# Altium PCB Power Board.PcbDoc (part 2 of 3)
Units mm, origin at the board's own origin, x right, y up, seen from the top; angles counter-clockwise.
Board outline 181.1 x 196.98 mm, 4 copper layers (Top Layer, Int1 (GND), Int2, Bottom Layer), stack 1.369 mm thick; 399 components, 209 nets, 1103 pads, 545 vias.
Unrouted connection lines stored in the file: 26.
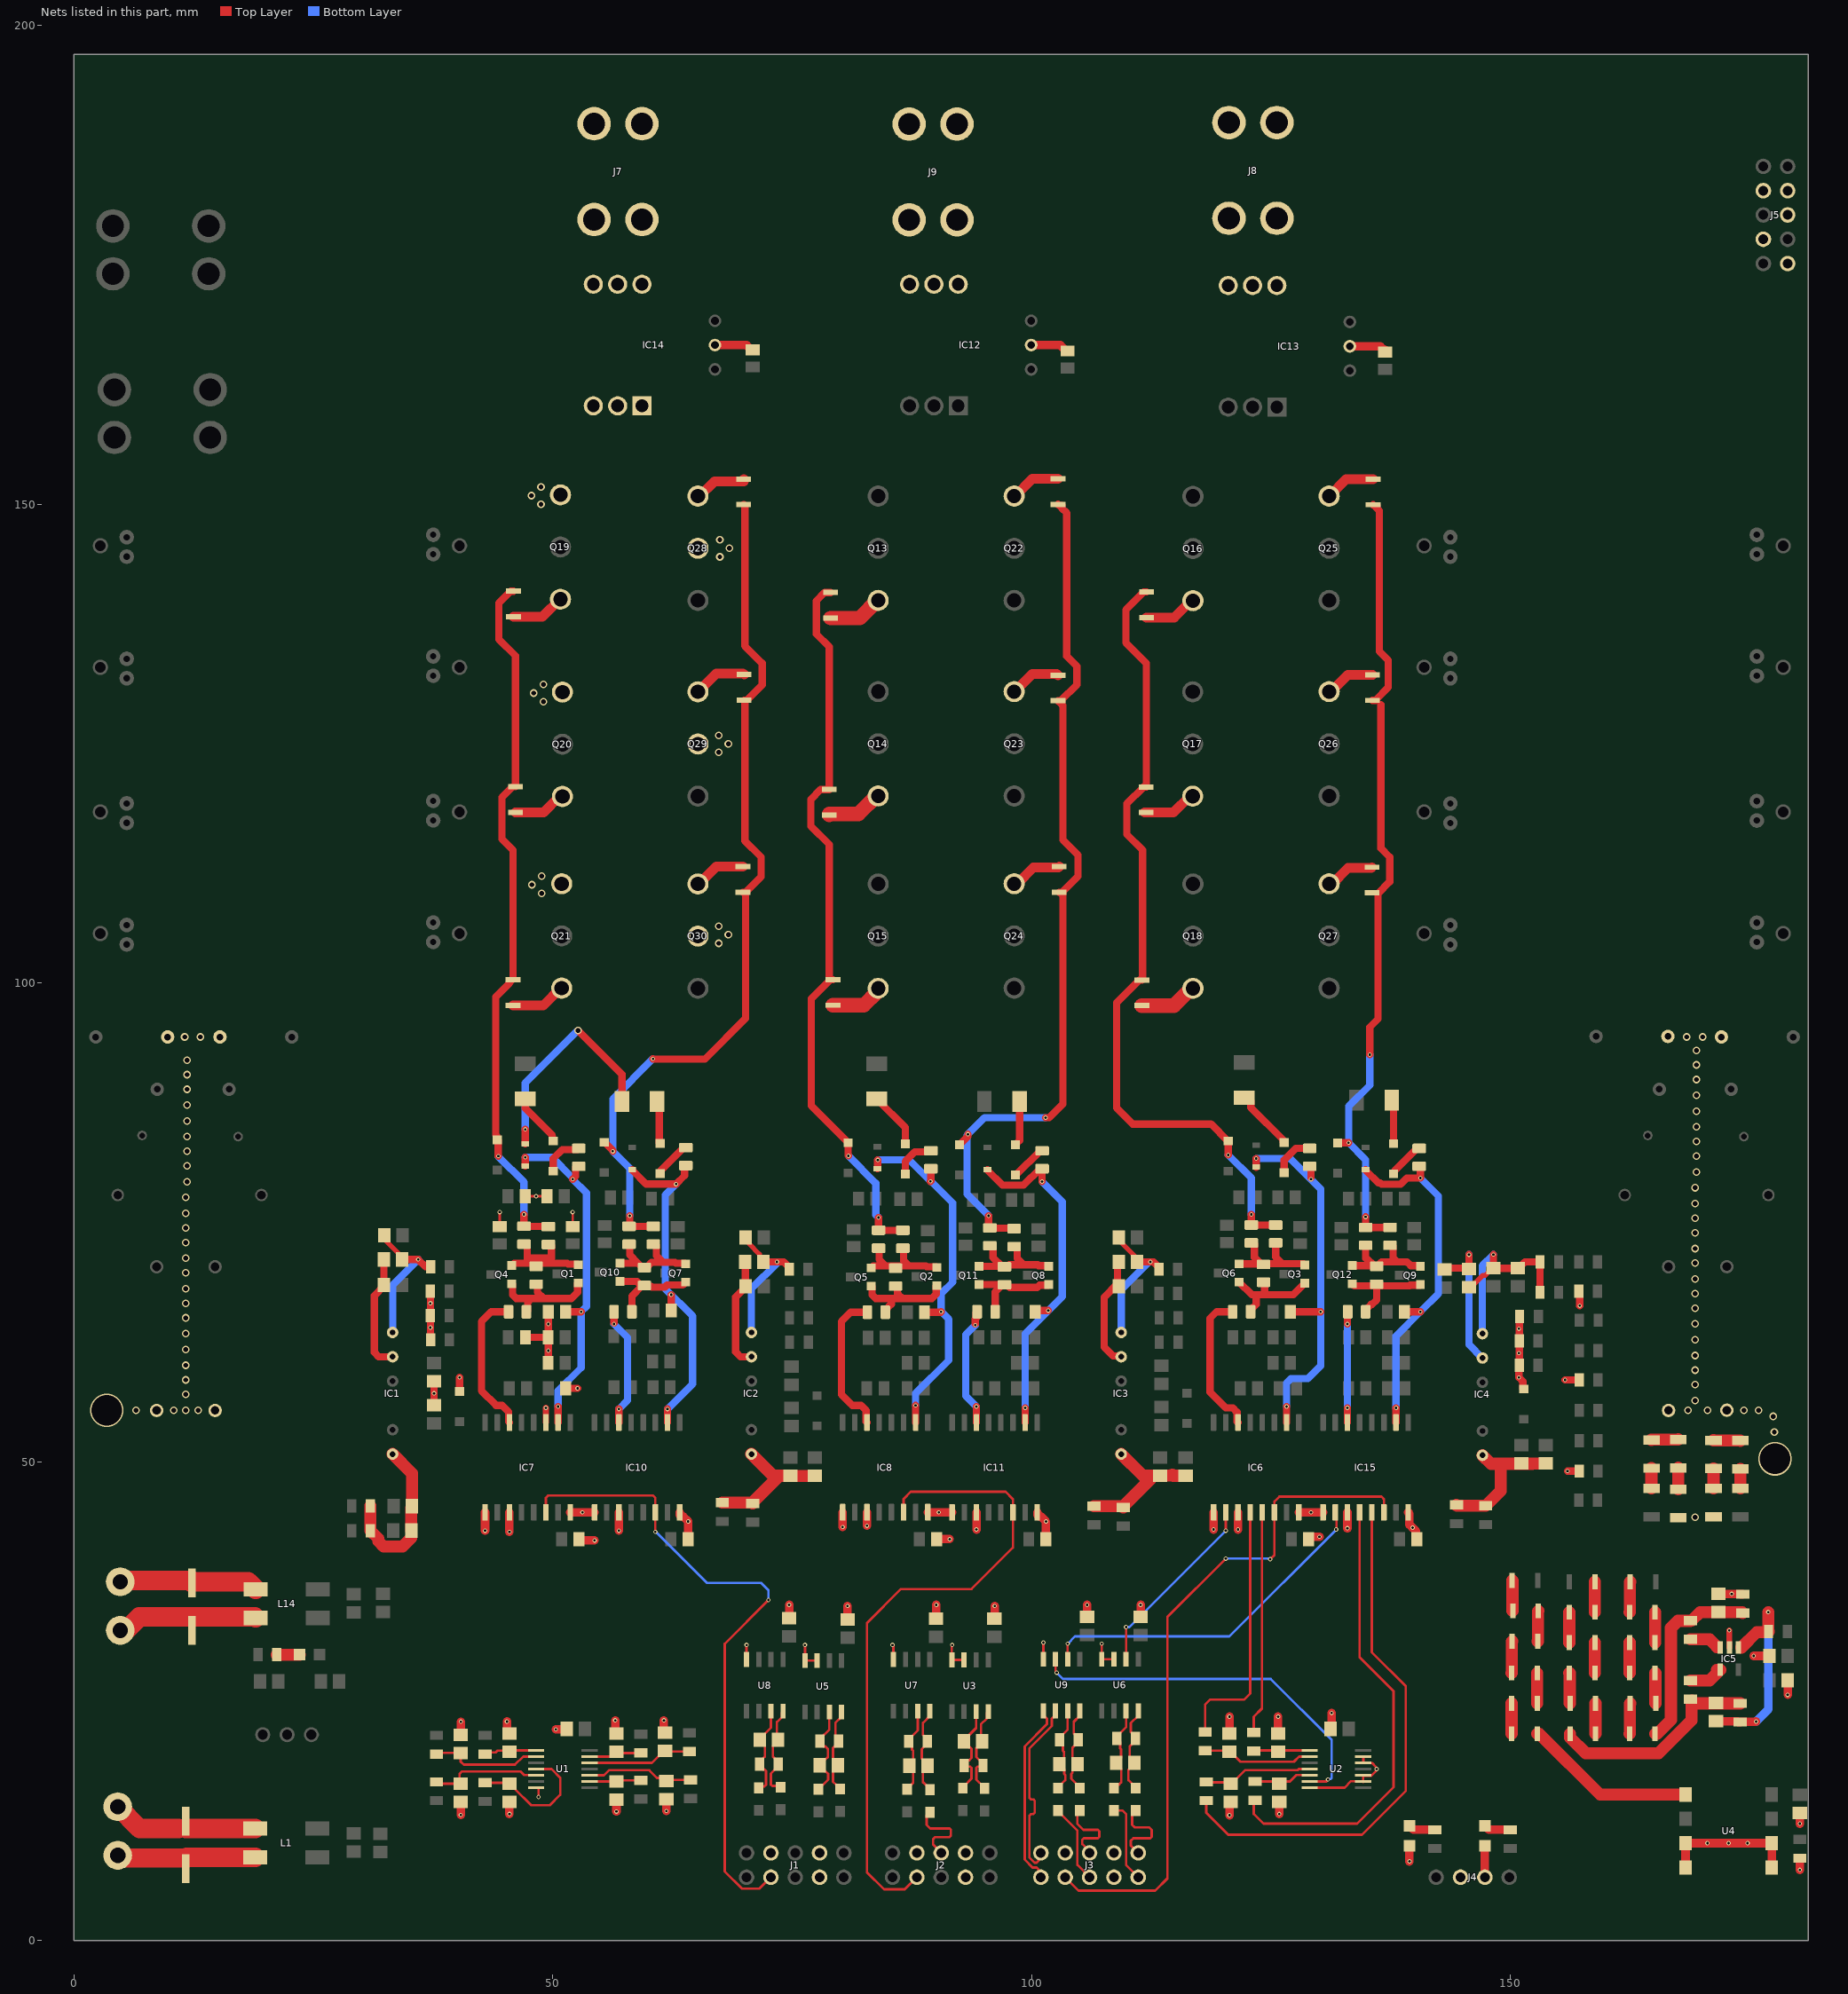
[diagram p4: the nets of this part, all layers, seen from the top]

## Via types
v1: diameter 0.45, hole 0.25, Top Layer to Bottom Layer, 341 vias
v2: diameter 0.8, hole 0.5, Top Layer to Bottom Layer, 177 vias
v3: diameter 0.5, hole 0.25, Top Layer to Bottom Layer, 9 vias
v4: diameter 4, hole 4, Top Layer to Bottom Layer, 9 vias
v5: diameter 3.5, hole 3.2, Top Layer to Bottom Layer, 6 vias
v6: diameter 0.45, hole 0.249, Top Layer to Bottom Layer, 1 vias
v7: diameter 0.762, hole 0.25, Top Layer to Bottom Layer, 1 vias
v8: diameter 0.4, hole 0.25, Top Layer to Bottom Layer, 1 vias

## Nets (pads, with @x,y where several pads share a name; then routed paths per layer and width w, separated by ;. In a path a pad name is that pad's centre, name@x,y a point inside that pad or via, vN(x,y) a via of type N, cw(c..) or ccw(c..) an arc to the next point about the centre after c; other vN are vias at no path point) (continued)
BLS_PWM_P: J2.5 L8.2 | length 8.6
  Top Layer w0.254: L8.2@89.373,13.398 89.027,13.052 89.027,12.065 89.408,11.684 91.418,11.684 91.567,11.535 91.567,10.944 91.418,10.795 89.916,10.795 89.71,10.589 89.71,10.033 90.551,9.192 J2.5@90.551,9.144
C-FAULT: U2.6 U9.3 | length 39.5
  Top Layer w0.254: U9.3@102.489,29.37 102.489,28.12 102.616,27.993 v1(102.616,27.967) ; U2.6@129.026,16.607 130.788,16.607 130.788,16.615 130.937,16.764 v1(130.937,16.817)
  Bottom Layer w0.254: v1(102.616,27.967) 103.278,27.305 124.968,27.305 131.318,20.955 131.318,16.965 131.208,16.855 130.975,16.855 v1(130.937,16.817)
C-FAULT-HS: IC6.13 R17.1 | length 23.4
  Top Layer w0.254: R17.1@123.19,21.717 123.19,23.368 124.044,24.222 124.044,44.678 IC6.13@124.079,44.713
C-FAULT-LS: IC15.13 R19.1 | length 55.5
  Top Layer w0.254: R19.1@118.237,14.605 118.237,13.335 120.523,11.049 134.493,11.049 139.065,15.621 139.065,26.543 135.509,30.099 IC15.13@135.509,44.713
C-FAULT_N: J3.10 U9.5 | length 19.5
  Top Layer w0.254: J3.10@100.965,6.604 100.704,6.865 100.704,7.423 100.507,7.62 100.086,7.62 99.266,8.44 99.266,20.272 101.6,22.606 101.6,23.173 101.451,23.322 101.367,23.322 101.219,23.47 U9.5@101.219,23.97
C-FAULT_P: J3.9 U9.6 | length 19.4
  Top Layer w0.254: J3.9@100.965,9.144 100.704,8.883 100.704,8.325 100.507,8.128 100.297,8.128 99.774,8.651 99.774,13.033 99.949,13.208 100.181,13.208 100.33,13.357 100.33,14.583 100.181,14.732 99.923,14.732 99.774,14.881 99.774,20.062 102.108,22.396 102.108,23.173 102.257,23.322 102.341,23.322 102.489,23.47 U9.6@102.489,23.97
C-RDY-HS: IC6.12 R18.1 | length 27
  Top Layer w0.254: R18.1@118.11,21.768 118.11,24.638 118.618,25.146 122.174,25.146 122.809,25.781 IC6.12@122.809,44.713
C-RDY-LS: IC15.12 R20.1 | length 48.3
  Top Layer w0.254: R20.1@123.317,14.643 123.19,14.516 123.19,13.208 124.206,12.192 133.985,12.192 137.795,16.002 137.795,26.035 134.239,29.591 IC15.12@134.239,44.713
Chassis1: C2.2 C3.2 C24.1 C25.1 R12.2 R16.1
  other v2: 169.291,44.196 177.546,53.086 177.419,54.737 168.529,55.372 170.561,55.372 174.371,55.372 175.895,55.372 169.291,56.388 169.291,58.039 169.291,59.563 169.291,61.087 169.291,62.738 169.291,64.389 169.291,66.04 169.291,67.564 169.291,69.088 169.291,70.739 169.291,72.263 169.291,73.914 169.291,75.438 169.291,76.962 169.291,78.613 169.418,80.264 169.418,81.915 169.418,83.439 169.418,84.963 169.418,86.614 169.418,88.265 169.418,89.916 169.418,91.44 169.418,92.964 168.402,94.361 170.053,94.361
  other v5: 177.609,50.299
Chassis2: C4.2 C5.2 C26.1 C27.1
  other v2: 6.477,55.372 10.414,55.372 11.684,55.372 12.954,55.372 11.684,57.023 11.684,58.547 11.684,60.071 11.684,61.722 11.684,63.373 11.684,65.024 11.684,66.548 11.684,68.072 11.684,69.723 11.684,71.247 11.684,72.898 11.684,74.422 11.684,75.946 11.684,77.597 11.811,79.248 11.811,80.899 11.811,82.423 11.811,83.947 11.811,85.598 11.811,87.249 11.811,88.9 11.811,90.424 11.811,91.948 11.557,94.361 13.208,94.361
  other v5: 3.429,55.372
CHS_PWM_IN: IC6.10 U6.2 | length 20
  Top Layer w0.254: U6.2@109.855,29.37 v1(109.855,32.737) ; v1(120.269,42.799) 120.269,44.459 120.142,44.586 IC6.10@120.269,44.713
  Bottom Layer w0.254: v1(109.855,32.737) 110.207,32.737 v1(120.269,42.799)
CHS_PWM_N: J3.2 L7.2 | length 8.5
  Top Layer w0.254: L7.2@108.585,13.557 109.506,13.557 109.855,13.208 109.855,7.874 J3.2@111.125,6.604
CHS_PWM_P: J3.1 L4.2 | length 8.5
  Top Layer w0.254: L4.2@110.871,13.557 110.498,13.184 110.498,12.591 110.49,12.583 110.49,12.065 110.744,11.811 112.268,11.811 112.522,11.557 112.522,10.817 112.373,10.668 110.617,10.668 110.363,10.414 110.363,9.906 J3.1@111.125,9.144
CLS_PWM_IN: IC15.10 U9.2 | length 36.5
  Top Layer w0.254: U9.2@103.759,29.37 v1(103.759,30.988) ; IC15.10@131.699,44.713 131.826,44.586 131.826,42.95 v1(131.799,42.923)
  Bottom Layer w0.254: v1(103.759,30.988) 104.521,31.75 120.65,31.75 131.799,42.899 v1(131.799,42.923)
CLS_PWM_N: J3.6 L13.2 | length 8.3
  Top Layer w0.254: L13.2@102.743,13.557 102.743,13.482 104.775,11.45 104.775,7.874 J3.6@106.045,6.604
CLS_PWM_P: J3.5 L10.2 | length 8.3
  Top Layer w0.254: L10.2@105.029,13.557 104.775,13.303 104.775,12.168 105.386,11.557 106.912,11.557 107.061,11.408 107.061,10.817 106.912,10.668 105.432,10.668 105.283,10.519 105.283,10.066 106.045,9.304 J3.5@106.045,9.144
GND_Cntrl: C1.1 C6.2 C7.2 C8.2 C9.2 C10.2 C11.2 C12.2 C13.2 C28.1 C29.2 C30.2 C31.2 C32.2 C33.1 C34.1 C36.2 C41.2 C44.2 C46.2 C47.2 C48.2 C49.2 C50.2 C72.2 C75.2 C76.2 C105.2 C108.2 C109.2 D1.1 D31.1 IC5.2 IC6.9 IC6.11 IC6.16 IC7.9 IC7.11 IC7.16 IC8.9 IC8.11 IC8.16 IC10.9 IC10.11 IC10.16 IC11.9 IC11.11 IC11.16 IC15.9 IC15.11 IC15.16 J1.3 J1.4 J1.7 J2.3 J2.4 J2.7 J3.3 J3.4 J3.7 J4.2 J4.3 R22.2 R47.1 U1.7 U2.7 U2.9 U2.10 U2.12 U2.13 U3.3 U3.4 U4.3 U4.4 U4.5 U4.6 U5.3 U5.4 U6.3 U6.4 U7.4 U8.4 U9.4 | length 119.1
  Top Layer w0.254: v1(48.514,14.986) U1.7@48.514,15.875 ; U8.4@70.231,29.337 v1(70.231,30.861) ; J1.7@72.771,9.144 J1.7@72.898,9.144 ; v1(76.327,30.861) U5.4@76.327,29.243 U5.3@77.597,29.243 ; v1(85.471,30.861) 85.563,30.769 U7.4@85.563,29.338 ; v1(91.694,30.861) 91.659,30.826 U3.4@91.659,29.305 U3.3@92.929,29.305 ; U9.4@101.219,29.37 v1(101.219,31.115) ; v1(107.315,30.988) U6.4@107.315,29.37 U6.3@108.585,29.37 ; U2.7@129.026,15.957 132.67,15.957 133.35,16.637 134.549,16.637 134.62,16.566 134.62,17.216 135.474,17.216 135.979,17.722 135.979,17.869 v1(136.017,17.907) ; U2.13@134.626,19.207 U2.12@134.626,18.557 134.649,18.534 135.538,18.534 v1@135.979,18.092
  Top Layer w0.635: IC5.2@172.847,30.607 v1(172.847,32.385)
  Top Layer w0.889: v1(40.386,13.099) C9.2@40.386,14.478 ; C7.2@40.387,21.485 40.398,21.496 v1(40.398,22.848) ; v1(42.926,42.799) IC7.9@42.926,44.713 ; v1(45.212,22.86) 45.212,21.818 45.418,21.612 C6.2@45.467,21.612 ; C8.2@45.465,14.456 C8.2@45.465,14.456 v1(45.466,13.208) ; v1(45.466,42.672) IC7.11@45.466,44.713 ; v1(50.317,22.047) 51.389,22.047 C1.1@51.44,22.098 ; IC7.16@51.816,44.713 v1(53.086,44.713) IC10.9@54.356,44.713 ; C72.2@52.727,41.91 52.854,41.783 v1(54.356,41.783) ; v1(56.515,22.987) 56.515,21.717 C13.2@56.642,21.59 ; C10.2@56.641,14.71 C10.2@56.641,14.71 v1(56.642,13.462) ; v1(56.896,42.799) IC10.11@56.896,44.713 ; v1(61.595,22.987) 61.595,21.839 C12.2@61.722,21.712 ; v1(61.849,13.525) C11.2@61.849,14.737 ; IC10.16@63.246,44.713 63.246,44.437 63.401,44.282 63.614,44.282 v1(64.135,43.762) C105.2@64.135,41.91 ; C49.2@74.676,33.65 v1(74.676,35.052) ; v1(80.264,43.18) IC8.9@80.264,44.722 ; C46.2@80.772,33.523 v1(80.772,34.925) ; v1(82.804,43.307) IC8.11@82.804,44.722 ; IC8.16@89.154,44.722 90.787,44.722 90.805,44.704 IC11.9@91.694,44.704 ; C48.2@90.008,33.618 90.043,33.653 v1(90.043,35.052) ; C108.2@90.065,41.91 v1(91.44,41.91) ; v1(94.234,42.926) IC11.11@94.234,44.704 ; C44.2@96.104,33.618 96.139,33.653 v1(96.139,34.925) ; IC11.16@100.584,44.704 100.584,44.428 100.739,44.273 100.974,44.273 v1(101.495,43.753) C75.2@101.495,41.91 ; C50.2@105.791,33.782 v1(105.791,35.052) ; v1(111.379,35.052) C47.2@111.38,33.804 C47.2@111.38,33.804 ; v1(118.999,42.926) IC6.9@118.999,44.713 ; v1(120.65,13.081) 120.65,14.351 C31.2@120.777,14.478 ; v1(120.65,23.368) v1(120.65,23.368) C30.2@120.651,21.612 ; v1(121.539,42.926) IC6.11@121.539,44.713 ; v1(125.731,23.367) v1(125.731,23.367) C29.2@125.731,21.612 ; v1(125.857,13.208) C32.2@125.857,14.478 ; IC6.16@127.889,44.713 v1(129.159,44.713) IC15.9@130.429,44.713 ; C76.2@128.927,41.91 129.181,42.164 v1(130.048,42.164) ; C28.1@131.191,22.098 131.318,22.225 v1(131.318,23.749) ; v1(132.969,43.053) IC15.11@132.969,44.713 ; IC15.16@139.319,44.713 139.446,44.586 139.446,43.434 v1(139.773,43.107) 140.1,42.78 140.1,42.041 C109.2@140.23,41.91 ; v6(139.446,8.255) D31.1@139.446,9.872 ; J4.3@147.32,6.604 D1.1@147.32,9.872 ; U4.4@168.275,7.62 U4.3@168.275,10.16 v1(170.561,10.16) v1(172.775,10.16) v1(174.752,10.16) U4.6@177.275,10.16 U4.5@177.275,7.62 ; C34.1@171.704,36.195 v1(173.101,36.195) 173.996,36.195 174.034,36.157 R22.2@174.244,36.157 ; v1(175.387,29.718) C36.2@177.043,29.718 ; C33.1@178.916,27.179 178.943,27.152 v1(178.943,25.654) ; C41.2@180.212,13.313 C41.2@180.212,13.313 v1(180.213,12.192) ; v1(180.213,7.366) R47.1@180.213,8.585
  other v1: 90.297,44.704
GND_CURRENTSENS: C120.2 C121.2 C122.2 IC12.0V IC13.0V IC14.0V J5.3 J5.4 J5.6 J5.7 J5.10 | length 12
  Top Layer w0.889: IC14.0V@66.929,166.624 70.23,166.624 70.716,166.138 C120.2@70.866,166.138 ; IC12.0V@99.949,166.624 102.996,166.624 103.609,166.011 C122.2@103.759,166.011 ; IC13.0V@133.223,166.497 136.397,166.497 136.756,166.138 C121.2@136.906,166.138
M_A: IC14.4 IC14.5 IC14.6 J7.1
M_B: IC12.4 IC12.5 IC12.6 J9.1
M_C: IC13.4 IC13.5 IC13.6 J8.1
NetC6_1: C6.1 R1.2 U1.1 | length 5.6
  Top Layer w0.254: R1.2@42.926,19.469 43.098,19.641 44.025,19.641 44.196,19.812 45.367,19.812 C6.1@45.467,19.712 45.612,19.857 U1.1@48.254,19.857
NetC7_1: C7.1 R2.2 U1.2 | length 12.3
  Top Layer w0.254: R2.2@37.846,19.469 37.746,19.469 37.63,19.469 37.746,19.585 37.846,19.585 C7.1@40.387,19.585 40.387,18.668 40.701,18.354 46.048,18.354 46.901,19.207 U1.2@48.254,19.207
NetC8_1: C8.1 R5.2 U1.4 | length 14
  Top Layer w0.254: R5.2@42.926,16.472 45.349,16.472 C8.1@45.465,16.356 45.565,16.356 46.088,15.833 46.088,15.772 47.734,14.126 49.686,14.126 50.771,15.211 50.771,16.993 49.857,17.907 U1.4@48.254,17.907
NetC9_1: C9.1 R6.2 U1.5 | length 12.2
  Top Layer w0.254: R6.2@37.719,16.51 37.77,16.561 R6.2@37.846,16.561 38.029,16.378 C9.1@40.386,16.378 40.386,16.891 40.269,16.891 40.259,16.901 40.259,17.399 40.513,17.653 46.609,17.653 46.99,17.272 48.239,17.272 U1.5@48.254,17.257 U1.5@48.277,17.234
NetC10_1: C10.1 R8.1 U1.9 | length 5.4
  Top Layer w0.254: U1.9@53.854,16.607 56.638,16.607 C10.1@56.641,16.61 56.757,16.726 R8.1@59.182,16.726
NetC11_1: C11.1 R7.1 U1.10 | length 11.3
  Top Layer w0.254: U1.10@53.854,17.257 55.349,17.257 55.872,17.78 60.071,17.78 60.867,16.984 61.502,16.984 C11.1@61.849,16.637 61.987,16.775 R7.1@64.391,16.775
NetC12_1: C12.1 R4.1 U1.12 | length 11
  Top Layer w0.254: U1.12@53.854,18.557 53.869,18.542 60.352,18.542 61.622,19.812 C12.1@61.722,19.812 61.811,19.723 R4.1@64.262,19.723
NetC13_1: C13.1 R3.1 U1.13 | length 5.6
  Top Layer w0.254: U1.13@53.854,19.207 56.159,19.207 C13.1@56.642,19.69 56.774,19.558 59.144,19.558 R3.1@59.182,19.596
NetC29_1: C29.1 R17.2 U2.1 | length 5.9
  Top Layer w0.254: R17.2@123.19,19.761 123.286,19.857 U2.1@129.026,19.857
NetC30_1: C30.1 R18.2 U2.2 | length 11.6
  Top Layer w0.254: R18.2@118.11,19.812 120.551,19.812 C30.1@120.651,19.712 120.751,19.712 121.794,18.669 127.381,18.669 127.919,19.207 U2.2@129.026,19.207
NetC31_1: C31.1 R19.2 U2.4 | length 11.5
  Top Layer w0.254: R19.2@118.237,16.561 118.288,16.51 120.645,16.51 C31.1@120.777,16.378 120.877,16.378 122.279,17.78 127.762,17.78 127.889,17.907 U2.4@129.026,17.907
NetC32_1: C32.1 R20.2 U2.5 | length 6
  Top Layer w0.254: R20.2@123.317,16.599 126.962,16.599 127.635,17.272 129.011,17.272 U2.5@129.026,17.257
NetC34_2: C34.2 R22.1 R29.2 R30.1 | length 20.1
  Top Layer w1.27: R29.2@165.1,21.59 165.32,21.59 166.751,23.021 166.751,32.639 167.495,33.383 168.765,33.383 R30.1@168.783,33.401 168.91,33.401 169.799,34.29 174.189,34.29 174.244,34.235 R22.1@174.244,34.201
NetC35_1: C35.1 J6.1 L1.1 | length 14.5
  Top Layer w2.032: J6.1@4.572,13.97 6.858,11.684 10.922,11.684 ; C35.1@11.703,11.684 L1.1@18.923,11.684
NetC35_2: C35.2 J6.2 L1.2 | length 14.5
  Top Layer w2.032: J6.2@4.572,8.89 4.85,8.612 11.665,8.612 11.684,8.593 11.775,8.684 L1.2@18.923,8.684
NetC37_1: C37.1 IC5.1 R31.1 R39.1 | length 21.6
  Top Layer w0.889: C37.1@171.451,22.887 173.702,22.887 R39.1@173.78,22.809 ; R39.1@173.99,22.809 174.026,22.845 175.626,22.845 v1(175.641,22.86)
  Top Layer w1.27: 174.117,30.607 175.713,32.203 176.894,32.203 R31.1@176.949,32.258 176.911,32.296 v1(176.911,34.29)
  Bottom Layer w0.889: v1(175.641,22.86) 176.911,24.13 v1(176.911,34.29)
NetC37_2: C37.2 R37.2 R38.1 R39.2 | length 22.4
  Top Layer w1.27: R37.2@156.21,21.59 156.21,21.191 157.843,19.558 165.481,19.558 168.91,22.987 168.91,25.001 168.938,25.029 169.202,24.765 R39.2@173.99,24.765
NetC42_1: C42.1 L2.1 R48.2 U3.8 | length 9.8
  Top Layer w0.254: L2.1@95.088,15.875 95.088,15.91 94.996,16.002 94.996,16.042 94.234,16.804 94.234,18.034 94.361,18.161 94.828,18.161 R48.2@94.923,18.256 94.923,18.466 94.234,19.155 94.234,20.096 94.834,20.696 C42.1@94.834,20.796 94.707,20.923 94.707,22.571 95.321,23.185 95.321,23.757 U3.8@95.469,23.905
NetC42_2: C42.2 L5.1 R48.1 U3.7 | length 9.9
  Top Layer w0.254: L5.1@92.802,15.907 92.932,15.907 92.964,15.875 92.964,16.144 93.726,16.906 93.726,18.012 93.577,18.161 93.472,18.161 ; R48.1@92.967,18.256 92.967,18.466 93.32,18.819 93.495,18.819 93.726,19.05 93.726,20.024 93.577,20.173 93.457,20.173 92.934,20.696 C42.2@92.934,20.796 93.457,21.319 93.457,21.448 94.199,22.19 U3.7@94.199,23.905
NetC43_1: C43.1 L3.1 R49.2 U5.8 | length 9.5
  Top Layer w0.254: L3.1@80.01,15.812 80.01,15.887 79.637,16.26 79.562,16.26 79.248,16.574 79.248,17.78 C43.1@79.756,18.288 79.248,18.796 79.248,20.116 79.397,20.265 79.492,20.265 79.845,20.618 R49.2@79.845,20.828 79.502,21.171 79.502,22.708 80.137,23.343 U5.8@80.137,23.843
NetC43_2: C43.2 L6.1 R49.1 U5.7 | length 10.1
  Top Layer w0.254: L6.1@77.724,15.78 78.74,16.796 78.74,17.404 78.479,17.665 78.379,17.665 77.856,18.188 C43.2@77.856,18.288 ; C43.2@77.856,18.388 78.379,18.911 78.479,18.911 78.725,19.157 78.725,19.992 78.452,20.265 78.242,20.265 77.889,20.618 77.889,21.038 78.867,22.016 U5.7@78.867,23.843
NetC45_1: C45.1 L4.1 R50.2 U6.8 | length 9.6
  Top Layer w0.254: L4.1@110.871,15.907 110.871,15.982 110.109,16.744 110.109,17.835 110.717,18.443 C45.1@110.717,18.543 110.236,19.024 110.236,20.275 110.833,20.872 R50.2@110.833,21.082 110.833,21.292 110.363,21.762 110.363,22.708 111.125,23.47 U6.8@111.125,23.97
NetC45_2: C45.2 L7.1 R50.1 U6.7 | length 8.9
  Top Layer w0.254: 109.093,16.256 109.347,16.51 109.347,17.913 108.817,18.443 C45.2@108.817,18.543 109.34,19.066 109.34,19.932 109.347,19.939 109.23,20.056 109.23,20.729 R50.1@108.877,21.082 108.877,21.292 109.855,22.27 U6.7@109.855,23.97
NetC51_1: C51.1 L8.1 R51.2 U7.8 | length 9.7
  Top Layer w0.254: L8.1@89.373,15.748 89.373,15.823 89.03,16.167 88.686,16.51 88.646,16.51 88.646,17.783 C51.1@89.119,18.256 89.119,18.356 88.519,18.956 88.519,19.986 89.119,20.586 R51.2@89.119,20.796 89.119,21.006 88.646,21.479 88.646,22.711 89.373,23.438 U7.8@89.373,23.938
NetC51_2: C51.2 L11.1 R51.1 U7.7 | length 9.3
  Top Layer w0.254: L11.1@86.995,15.78 86.995,15.855 87.63,16.49 87.63,17.845 C51.2@87.219,18.256 87.63,18.667 87.63,19.812 87.516,19.926 87.516,20.443 R51.1@87.163,20.796 87.163,21.006 88.103,21.946 U7.7@88.103,23.938
NetC52_1: C52.1 L9.1 R52.2 U8.8 | length 9.3
  Top Layer w0.254: 73.279,16.129 72.906,16.129 72.771,16.264 72.771,17.443 73.533,18.205 73.533,18.625 72.983,19.175 72.983,20.333 73.506,20.856 C52.1@73.506,20.956 73.406,21.056 73.406,22.802 73.914,23.31 73.914,23.749 74.041,23.876 U8.8@74.041,23.937
NetC52_2: C52.2 L12.1 R52.1 U8.7 | length 9.7
  Top Layer w0.254: L12.1@71.645,16.083 72.09,16.083 72.263,16.256 72.263,17.703 72.114,17.852 71.93,17.852 71.577,18.205 71.577,18.625 72.136,19.184 72.136,20.447 72.115,20.447 C52.2@71.606,20.956 71.606,21.056 72.771,22.221 U8.7@72.771,23.937
NetC53_1: C53.1 L10.1 R53.2 U9.8 | length 9.6
  Top Layer w0.254: L10.1@105.029,15.907 105.029,15.982 104.14,16.871 104.14,17.399 104.247,17.506 104.247,17.892 C53.1@104.77,18.415 104.267,18.918 104.267,20.148 104.864,20.745 R53.2@104.864,20.955 104.864,21.165 104.394,21.635 104.394,22.835 105.029,23.47 U9.8@105.029,23.97
NetC53_2: C53.2 L13.1 R53.1 U9.7 | length 9.4
  Top Layer w0.254: L13.1@102.743,15.907 102.743,15.982 103.505,16.744 103.505,17.272 103.393,17.384 103.393,17.892 C53.2@102.87,18.415 103.378,18.923 103.378,19.685 103.261,19.802 103.261,20.602 R53.1@102.908,20.955 102.908,21.165 103.759,22.016 U9.7@103.759,23.97
NetC54_1: C54.1 D8.1 IC7.2 R54.1 | length 37.5
  Top Layer w0.254: C54.1@51.308,65.681 C54.1@51.33,65.659
  Top Layer w0.762: D8.1@47.117,80.892 v1(47.117,81.788) ; IC7.2@50.546,54.093 v1(50.546,55.753) ; C54.1@51.33,65.659 v1(52.959,65.659) ; v1(52.077,79.509) 52.376,79.808 52.376,80.734 52.495,80.853 R54.1@52.705,80.853
  Bottom Layer w0.762: v1(47.117,81.788) 49.911,81.788 52.077,79.622 v1(52.077,79.509) 53.518,78.068 53.518,66.218 v1(52.959,65.659) 52.959,59.817 50.546,57.404 v1(50.546,55.753)
NetC55_1: C55.1 D9.1 IC8.2 R55.1 | length 38.9
  Top Layer w0.762: D9.1@83.883,80.596 83.913,80.625 v1@83.913,81.5 ; IC8.2@87.884,54.102 v1(87.884,55.88) ; C55.1@88.806,65.617 90.509,65.617 v1(90.551,65.659) ; v1@89.408,79.248 v1(89.44,79.28) 89.471,79.311 R55.1@89.471,80.603
  Bottom Layer w0.762: v1(83.93,81.517) 87.203,81.517 v1(89.44,79.28) 89.503,79.28 91.745,77.038 91.745,68.758 90.551,67.564 v1(90.551,65.659) 91.338,64.872 91.338,60.604 87.884,57.15 v1(87.884,55.88)